# KiCad board Rogelio Pineda part 6-AMLDC-2044B.kicad_pcb (continued)
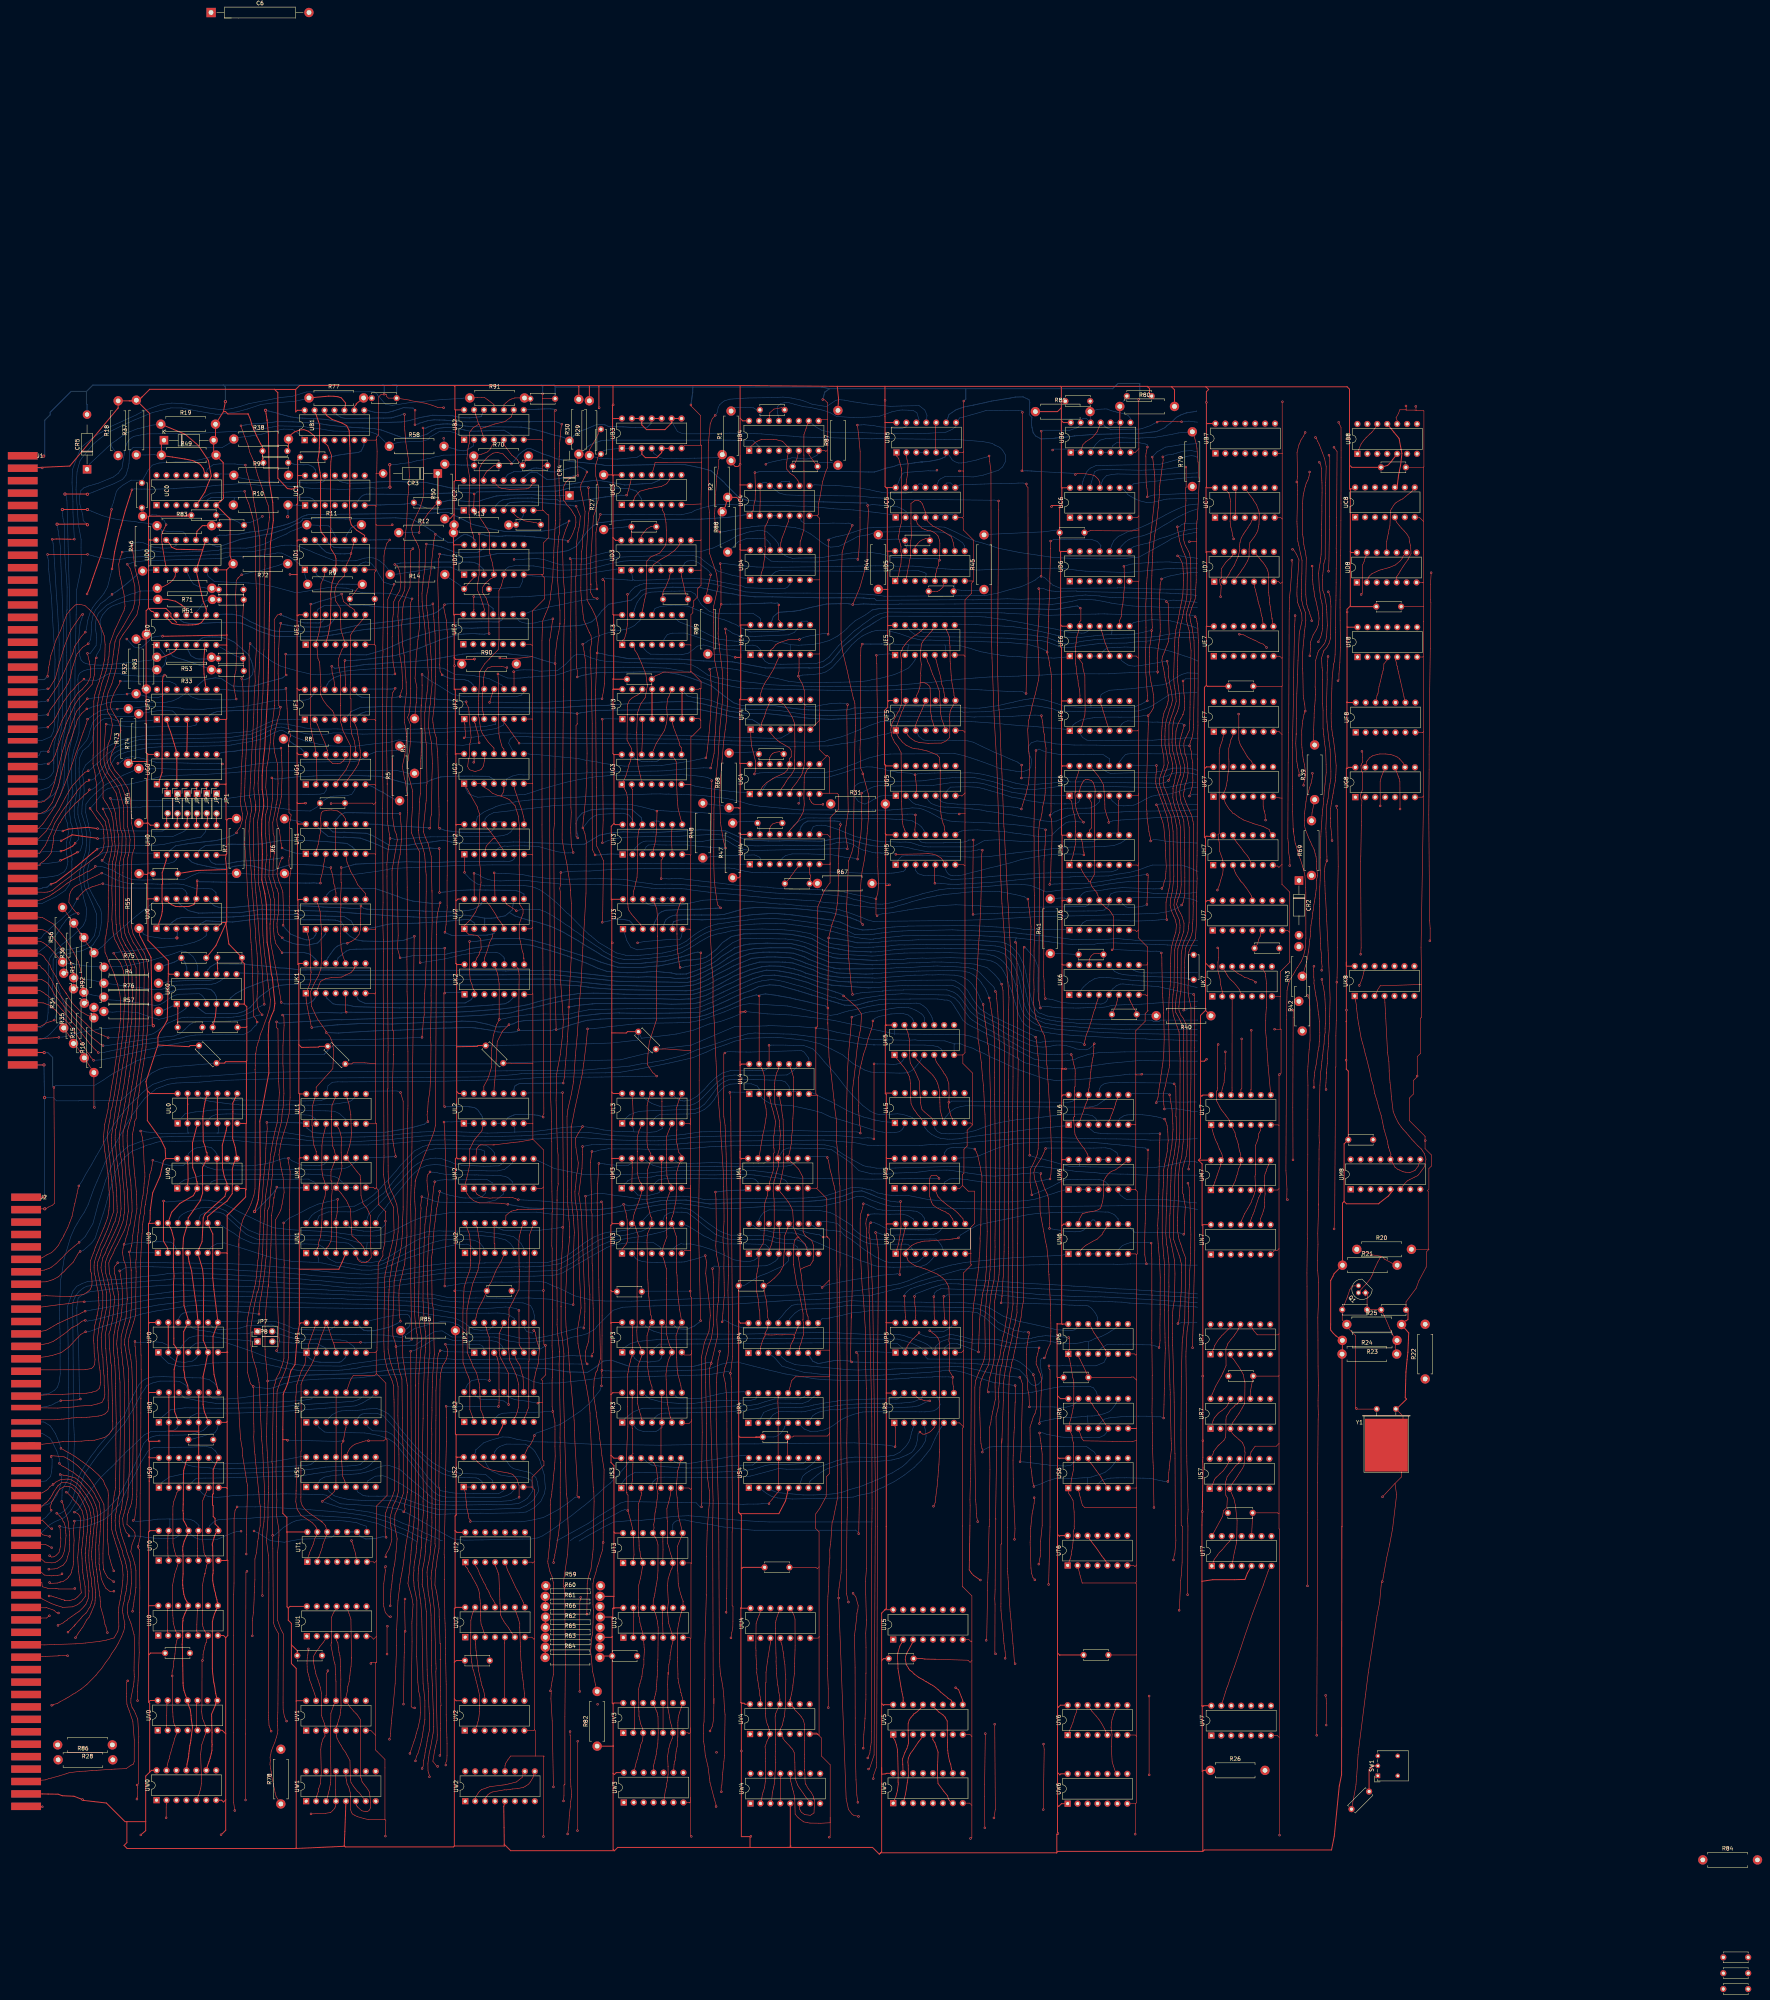
[diagram p0: board, top side]
## Routing (per net, layer and track width the routed paths; a pad name or vN(x,y) marks a point on that pad's centre or on a via; arc(x,y) is an arc through that point) (continued)
G7p10: length 14.7
  Top w0.15: UG7.10 389.93,312.78 389.71,313.36 389.11,313.94 388.7,314.46 388.54,314.7 387.51,316.47 387.03,317.25 386.77,317.79 386.47,318.79 386.45,319.3 386.45,325.38 v1(386.42,325.42) 386.45,325.45 386.45,325.53
G8p9: length 13.5
  Top w0.15: UG8.9 428.4,312.98 427.59,313.91 427.59,313.96 426.88,314.47 426,314.84 425.31,315.07 423.92,315.22 422.48,315.22 421.86,315.1 420.68,314.77 419.88,314.26 419.27,313.5 419.15,313.26 UG8.13
G8p10: length 11.1
  Top w0.15: 427.44,308.9 427.17,309.57 UG8.10 ; 427.68,300.96 427.68,301.13 v1(427.66,301.16) 427.61,308.12 427.42,308.99
H0p4: length 47
  Top w0.15: UJ1.11 155.79,279.74 155.54,280.61 155.52,281.28 155.21,282.14 155,283.81 154.73,285.01 154.45,285.75 154.45,286.17 v1(154.49,286.2) 154.45,286.24 154.45,286.26
  Bottom w0.2: UH0.4 118.05,288.4 118.2,288.28 119.07,287.53 120.33,287.08 122.78,286.55 125.29,286.03 127.71,286 129.99,286.56 132.33,286.87 133.8,286.73 135.31,286.43 136.5,286.09 137.39,285.88 138.53,285.52 139.91,285.46 140.77,285.92 143.98,286.92 146.66,287 151.42,286.77 152.49,286.57 153.08,286.42 153.63,286.24 v1(154.49,286.2)
H0p5: length 43.6
  Bottom w0.2: UH0.5 120.93,290.79 122.46,291.86 126.46,292.09 129.22,292.18 134.22,292.11 136.65,292.25 141.65,293.13 147.39,293.16 153.23,292.83 158.58,292.37 159.96,291.49 160.77,290.67 160.52,289.98 UH1.6
H0p6: length 50
  Top w0.15: v1(142.27,271.47) 142.42,273.8 142.21,279.91 141.81,281.2 141.14,282.9 140.71,284.71 140.87,285.63 141.6,287.9 v1(142.07,288.72)
  Bottom w0.2: 150.48,268.88 150.5,268.88 ; 150.48,268.88 150.72,269.31 UJ1.2 ; 150.48,268.88 150.27,268.58 149.93,268.16 148.85,267.74 148.21,267.74 146.6,268.22 144.21,269.22 142.86,270.63 v1(142.27,271.47) ; v1(142.07,288.72) 140.84,288.48 139.47,288.35 138.74,288.27 136.23,288.05 134.52,287.97 132.04,287.91 130.38,287.68 128.24,287.23 127.05,287.06 125,287.08 123.96,287.51 UH0.6
H0p8: length 3
  Top w0.25: UH0.8 125.23,299.95 JP1.2
H0p10: length 3
  Top w0.25: JP3.2 120.15,299.87 UH0.10
H0p12: length 3
  Top w0.25: JP5.2 115.27,299.99 115.27,298.91 UH0.12
H1p5: length 13
  Top w0.15: UJ1.8 163.33,279.56 161.36,281.79 160.73,283.13 160.35,283.8 159.57,285.14 158.6,287.61 UH1.5
H1p11: length 284.6
  Top w0.15: 172.53,293.52 172.17,289.6 171.66,287.07 171.41,282.02 171.51,279.2 171.68,268.9 171.49,265.61 v1(172.18,263.16) ; 172.52,293.31 172.58,294.78 172.41,297.24 v1(172.14,300.03) ; UH1.11 UH1.4
  Bottom w0.15: 340.56,243.62 340.54,243.61 ; 340.54,243.61 338.42,243.92 336.51,244.23 334.53,244.69 333.24,245.18 331.91,246.02 331.06,246.98 330.3,248.46 329.88,249.65 329.32,251.63 328.88,253.02 328.41,254.69 327.8,256.12 327.21,258.05 326.35,259.74 326.17,260.04 325.74,260.65 324.64,261.67 323.38,262.31 322.36,262.55 320.66,262.81 319.18,262.96 317.24,263.05 312.82,263.19 306.56,263.06 305.59,263.1 302.47,262.97 301.75,262.92 300.82,262.78 298.05,262.71 296.88,262.66 293.84,262.52 ; 340.54,243.61 341.02,243.55 342.56,243.48 344.12,243.31 346.18,243.22 352.86,242.83 355.36,242.73 359.06,242.51 360.17,242.48 362.67,242.45 363.71,242.33 369.78,242.17 371.27,242.12 374.04,241.97 374.38,241.97 375.34,241.96 375.9,241.94
  Bottom w0.2: 294.09,262.52 292.94,262.5 283.81,263.08 282.84,263.21 282.18,263.48 279.24,264.32 277.8,264.92 275.41,266 273.27,266.51 272.07,266.79 266.07,266.9 265.61,266.9 261.35,266.67 260.01,266.44 257.64,265.68 256.81,265.08 254.3,263.5 253.08,262.51 251.88,261.7 250.24,260.96 250.03,260.77 248.65,260.26 246.89,259.58 245.61,259.17 245.32,259.02 244.43,259.01 243.8,259 242.71,259 241.44,259.31 239.58,259.47 237.43,259.69 235.26,259.52 233.87,259.42 230.2,259.34 225.08,259.67 222.75,260.48 219.76,261.79 218.04,262.44 214.92,263.62 212.12,264.53 208.81,265.47 205.58,266.39 203.48,266.59 196.52,266.51 194.41,266.15 190.06,265.53 188.68,265.05 185.23,264.43 183.85,264.06 178.55,263.76 177.77,263.77 177.56,263.74 175.41,263.71 173.85,263.36 172.22,263.11 v1(172.18,263.16) ; 169.43,300.05 169.45,300.03 v1(172.14,300.03) ; UH1.11 155.71,298.24 156.74,299.47 157.11,299.77 157.56,300.03 158.07,300.21 160.14,300.21 170.14,300.03 168.47,300.02
H1p12: length 310.7
  Top w0.15: v1(320.94,290.66) 320.67,289.02 320.68,282.05 320.65,281 320.57,277.99 320.51,275.83 320.24,270.49 320.14,268.76 320.08,268.08 319.91,265.54 319.55,258.71 319.4,256.23 319.4,251.46 319.82,244.25 319.82,242.46 320.04,241.3 320.18,240.03 320.68,236.32 320.94,233.07 321.2,230.63 321.31,228.98 321.43,226.37 321.48,225.05 321.61,223.05 321.87,209.83 322.17,193.21 322.01,186.94 321.98,184.03 321.67,180.44 321.47,179.17 321.06,177.69 320.94,176.81 320.81,176 320.76,175.11 320.57,174.31 320.24,170.83 320.09,166.78 v1(319.94,162.49)
  Bottom w0.15: UP5.6 311.28,162.48 311.37,163.67 312.34,164.46 313.35,164.72 314.4,164.69 314.94,164.43 317.06,163.65 318.6,163.09 v1(319.94,162.49) ; v1(320.94,290.66) 319.98,290.78 319.72,290.67 318.76,290.5 318.24,290.41 313.94,290.27 311.51,290.31 308,290.2 306.78,290.27 303.19,290.97 301.78,291.34 300.27,291.56 299.11,291.54 297.95,291.61 297.4,291.56 295.52,291.62 295.05,291.63 294.32,291.64 292.74,291.79
  Bottom w0.2: 292.74,291.79 290.48,292.33 289.1,292.79 285.98,293.73 284.05,293.72 279.85,292.95 270.84,293.08 269.13,293.01 266.35,293.01 260.46,293.26 255.31,295.57 248.92,295.86 246.74,295.71 238.17,295.2 236.93,295.28 233.04,295.22 229.15,295.32 225.91,295.05 223.09,294.46 219.3,292.19 216.66,292.09 215.88,292.13 211.62,292.36 203.91,292.69 201.09,292.73 197.01,292.48 193.47,292.42 189.35,292.34 185.33,292.71 183.17,293.2 180.49,292.79 175.83,292.19 174.49,291.94 173.22,291.86 169.61,291.8 165.06,294.42 163.51,294.97 159.98,295.1 157.93,295.24 156.92,295.2 154.99,295.3 153.71,296.48 UH1.12
H1p13: length 67.9
  Top w0.15: v1(182.24,279.84) 182.24,291.01 v1(182.17,291.08)
  Bottom w0.2: v1(182.17,291.08) 182.04,291.08 181.45,291.05 179.88,291.21 177.33,290.99 172.85,290.83 168.96,290.88 166.31,292.09 163.85,293.08 162,293.73 157.75,293.98 157.51,293.9 156.48,293.96 153.82,294.15 151.77,295.8 151.29,296.45 UH1.13 ; UJ2.8 203.82,279.44 202.65,280.08 201.94,280.28 201.74,280.37 193.96,280.46 190.2,280.5 186.13,280.33 184.33,280.05 v1(182.24,279.84)
H2p1: length 387.8
  Top w0.15: 326.83,84.23 326.8,84.25 v1(326.76,84.25) 326.76,84.3 326.84,84.81 326.75,85.92 326.46,88.09 326.31,89.35 326.32,89.97 325.7,96.41 325.67,97.5 325.69,98.23 325.69,113.34 325.84,113.49 ; 325.85,113.48 325.84,113.49 ; 325.84,113.49 325.84,139.13 325.95,140.3 ; 325.91,139.19 325.95,140.3 ; 325.95,140.3 326.29,150.09 326.27,153.42 326.36,154.71 326.52,156.02 326.82,158.07 327,158.77 327.41,161.22 327.76,162.97 327.96,163.97 328.51,166.08 328.75,167.71 328.96,168.56 329.27,169.6 329.42,170.66 329.81,172.51 329.78,173.31 329.78,174.08 329.88,175.59 329.97,190.27 330.01,195.74 329.97,209.82 330.01,214.27 329.94,223.04 329.95,224.64 330.1,237.57 329.97,237.7 329.97,246.98 329.87,247.08 329.87,256.1 329.78,256.2 329.78,261.77 329.71,262.84 329.62,266.9 v1(329.38,267.14) ; 188.58,284.93 188.58,284.94 v1(188.63,284.99) 188.58,285.03 UH2.1
  Bottom w0.15: 375.9,266.34 375.09,266.32 368.24,266.42 368.22,266.44 366.21,266.57 365.15,266.58 362.84,266.65 361.74,266.71 359.22,266.78 357.72,266.84 354.47,266.97 352.79,266.94 350.28,266.76 349.54,266.63 346.38,266.63 345.95,266.59 343.96,266.53 341.7,266.74 338.1,267.23 337.8,267.32 334.69,267.62 333.46,267.81 330.61,268.13 329.55,268.24 ; 329.55,268.24 327.88,268.35 327.6,268.34 327.35,268.36 322.84,268.67 321.36,268.74 319.74,268.88 319.71,268.91 318.11,268.91 316.68,268.9 300.64,268.78 299.43,268.62 297.34,268.42 295.18,268.25 294.77,268.17 293.55,268.04 293.08,267.94 ; 329.55,268.24 329.64,268.15 329.4,267.9 329.4,267.72 v1(329.38,267.14) ; v1(188.63,284.99) 188.63,284.82 189.89,283.49 190.3,283.12 190.71,282.8 191.94,282 193.67,281.55 195.01,281.56 202.23,281.65 202.42,281.67 203.8,281.62 205.58,281.38 206.79,281.01 207.8,280.57 208.79,279.93 210.09,278.94 211.16,278.09 211.67,277.59 212.14,277.27 214.89,274.51 215.08,274.43 215.57,273.98 219.38,270.13 220.38,269.18 221.01,268.71 222.92,267.07 227.39,264.42 229.82,263.81 231.16,263.73 232.8,263.79 233.63,263.82 235.69,263.99 236.81,264.15 239.23,264.37 240,264.56 241.26,264.81 244.27,265.78 245.58,266.45 246.84,267.42 247.75,268.01 249.05,268.83 249.98,269.36 251.16,269.88 253.4,270.5 255.26,270.88 257.75,271.28 258.22,271.38 260.39,271.58 262.68,271.78 263.93,271.81 268.17,271.97 269.37,271.96 270.52,271.87 272.34,271.61 274.04,271.43 276.51,271.04 277.94,270.87 280.78,270.23 282.5,269.92 283.99,269.51 285.95,268.96 288.24,268.44 290.35,268.08 292.43,267.9 293.08,267.94 ; 293.08,267.94 293.14,267.95
H2p4: length 225.2
  Top w0.15: UD5.5 309,360.64 309.03,361.16 309.03,361.18 309.25,362.05 309.36,362.66 309.71,363.38 309.79,364.39 v1(310,364.71) 310.02,364.74 310.09,369.03 310,369.79 309.62,370.86 309,371.54 308.22,371.99 307.76,372.2 306.94,372.32 306.26,372.55 305.48,372.9 304.32,373.98 304.11,374.79 UC5.3 ; v1(215.6,365.12) 215.88,364.84 215.88,364.11 215.89,361.58 215.74,347.11 215.79,346.39 215.78,343.58 215.81,336.76 215.7,327.5 215.7,315.85 215.71,315.73 215.81,301.66 215.9,300.29 215.75,296.42 215.78,295.05 215.92,291.8 v1(216.39,290.07) ; UC4.5 271.35,374.51 270.9,373.42 270.39,371.96 269.77,370.4 269.45,369.17 UD4.11
  Bottom w0.15: UH2.4 196.63,290.49 197.18,291.08 197.64,291.35 198.75,291.71 199.61,291.65 ; 199.61,291.65 201.11,291.74 202.39,291.75 204.05,291.76 207.48,291.6 209.39,291.05 212.19,290.29 213.59,290.05 214.4,289.95 215.2,289.96 215.68,289.96 v1(216.39,290.07) ; 199.61,291.65 199.69,291.65 ; v1(215.6,365.12) 216.37,365.12 216.54,365.1 216.95,365.06 219.07,365.03 222.21,366.03 224.75,366.66 225.81,366.89 249.21,366.97 250.66,367.42 252.09,367.8 254.02,368.72 256.26,369.78 258.35,370.97 260.69,371.74 261.5,371.96 263.53,372.28 264.72,372.3 265.99,371.9 268.02,369.97 268.73,369.03 268.89,368.56 UD4.11 269.71,366.41 269.96,366.29 270.53,365.89 271.18,365.57 272.41,365.19 274.07,365.27 277.17,365.28 280.15,365.41 282.66,365.9 283.93,366.01 286.12,366.35 287.53,366.57 288.8,366.67 292.78,366.64 294.94,366.35 295.88,366.11 297.36,365.66 298.06,365.46 304.51,365.14 305.09,365.18 308.6,365.11 309.17,365.08 309.53,365.06 v1(310,364.71)
H2p9: length 298.3
  Top w0.15: 170.09,184.77 169.52,181.04 169.47,179.7 169.32,178.26 ; 170.05,184.48 170.8,187.78 171.27,190.19 171.66,193.16 171.71,196.98 171.33,200.12 170.58,202.15 169.64,204.13 169.24,205.71 169.11,208.54 169.11,210.11 168.99,229.65 169.06,229.71 169.06,239.05 169.11,239.4 168.96,260.26 168.93,260.29 168.82,284.04 168.83,285.46 168.79,287.05 169.14,290.95 169.3,291.75 v1(169.61,293.65) 169.44,294.66 168.89,298.04 168.87,307.69 ; v1(168.53,110.16) 168.53,110.81 169.32,112.16 169.76,113.4 170.06,114.67 169.87,117.57 169.78,118.21 169.59,120.17 170.41,123.32 170.83,124.12 171.11,124.69 171.42,125.53 171.81,127.17 171.9,133.23 171.87,136.31 171.66,144.19 171.61,146.25 171.65,153.61 171.21,155.61 170.91,156.31 169.85,159.49 169.55,160.59 169.09,163.23 169.15,168.07 169.12,169.44 169.15,173.38 169.27,176.56 169.36,178.47 ; 168.87,307.36 168.67,322.38 168.84,331.67 168.93,346.07 168.93,347.48 169.02,352.39 169.02,354.71 169.92,356.81 170.12,357.28 v1(170.62,358.58)
  Bottom w0.15: UH2.9 201.28,296.56 200.49,295.33 199.57,294.72 198.52,294.39 196.48,294.15 194.82,294.22 181.67,294.04 179.98,294.06 175.54,293.75 174.26,293.61 171.46,293.4 170.89,293.4 170.66,293.46 170.14,293.65 v1(169.61,293.65) ; v1(170.62,358.58) 169.8,358.5 168.04,359.08 167.45,359.96 167.1,360.56 166.66,361.26 166.15,362.31 164.99,363.68 164.49,364.09 163.4,364.27 162.84,364.15 162.03,363.77 UD1.6
H2p12: length 238.9
  Top w0.15: UH2.5 198.38,291 197.71,291.84 197.27,292.57 196.51,293.59 ; 303.86,299.73 303.86,299.68 v1(303.83,299.65) 303.86,299.63 303.86,297.53 ; 237.78,300.66 v1(237.78,300.62) 237.82,300.62 237.66,295.26 237.59,294.72 237.41,292.87 237.05,291.52 UH3.4 ; v1(318.62,293.25) 318.43,276.32 v1(318.55,274.25) ; 196.51,293.59 195.9,293.59 194.18,291.71 UH2.3 ; 196.51,293.59 196.17,294.07 195.19,295.43 193.66,297.21 UH2.12 ; UH5.12 303.72,295.55 303.69,295.94 303.86,297.57
  Bottom w0.15: v1(318.62,293.25) 317.46,293.25 317.31,293.09 316.77,292.86 316.45,292.75 315.54,292.69 315.11,292.65 314.19,292.57 311.4,292.57 311.03,292.53 310.98,292.5 306.4,292.5 305.27,292.75 304.76,293.25 UH5.12 ; 375.76,279.92 374.37,279.71 370.81,279.51 365.94,279.59 365.81,279.62 364.68,279.62 363.44,279.79 361.2,279.98 357.58,280.12 355.07,279.97 353.89,279.54 353.76,279.47 353.48,278.99 UJ6.10 353.16,276.41 352.07,275.35 349.99,275.12 347.93,275.12 346.88,275.11 343.35,275.08 342.74,275.09 342.64,275.09 341.06,275.09 341.05,275.1 337.29,274.99 334.61,274.98 333.92,274.96 333.39,274.89 331.62,274.79 330.43,274.76 329.2,274.72 328.62,274.66 327.5,274.69 324.87,274.54 324.05,274.48 321.34,274.4 320.37,274.4 v1(318.55,274.25) ; UH2.12 193.89,298.62 194.19,299.07 194.94,299.69 196.1,300.23 200.33,300.7 201.69,300.97 204.56,301.2 206.01,301.35 210.55,301.93 211.89,302.07 217.6,302.31 218.46,302.36 226.81,302.41 227.06,302.41 227.55,302.4 231.22,302.28 234.39,301.61 236.3,301.1 237,300.96 v1(237.78,300.62) 238.2,300.82 238.83,300.72 239.41,300.71 241.56,300.57 242.73,300.54 248.38,300.31 251.36,300.06 257.28,299.85 260.12,299.95 266.67,299.95 270.24,299.98 292.83,299.67 294.03,299.72 300.02,299.72 300.03,299.71 300.61,299.75 301.84,299.85 ; v1(303.83,299.65) 303,299.87 301.71,299.85
H2p13: length 324.3
  Top w0.15: v1(374.63,163.57) 375.21,188.48 375.09,240.14 375.15,252.88 375.15,253.58 v1(374.9,253.83) ; v1(337.02,252.72) 336.85,253.71 336.72,255.33 336.71,257.23 336.59,258.45 336.64,265.99 336.62,266.72 336.62,267.66 336.61,273.69 336.61,280.07 336.68,280.14 336.68,287.8 336.82,290.09 336.86,290.44 336.96,291.94 337.04,293.78 337.12,294.59 v1(337.09,295.84)
  Bottom w0.15: 293.07,300.9 292.82,300.9 ; 292.82,300.9 289.45,300.94 274.35,300.93 270.4,301.29 269.98,301.36 269.11,301.42 263.95,301.9 261.57,302.31 258.79,303.13 255.59,303.87 254.32,304.02 253.1,304.16 250.43,304.5 247.83,304.71 246.25,304.77 245.94,304.81 244.06,304.85 242.81,304.86 240.68,304.98 240.13,304.96 238.65,305.02 236.42,305 224.03,304.59 219.3,304.31 217.91,304.22 215.93,304.11 211.51,303.85 211.42,303.76 211.4,303.79 207.51,303.64 206.75,303.62 206.23,303.56 205.05,303.43 203.88,303.3 201.76,303.07 200.64,302.73 197.95,302.19 196.6,301.76 195.82,301.36 ; 292.82,300.9 297.31,300.9 297.82,300.95 299.25,301.07 300.59,301.18 301.66,301.28 303.01,301.46 304.8,301.35 305.79,301.06 307.53,300.31 310.21,298.8 312.59,298.1 313.98,297.93 316.53,297.84 318.74,297.77 322.64,297.61 322.87,297.56 324.22,297.53 328.83,297.2 330.5,297 333.53,296.65 333.63,296.6 334.48,296.46 336.26,296.19 337.09,295.98 v1(337.09,295.84) ; UH2.13 191.58,297.67 191.92,299.18 193.5,300.34 194.88,301.02 195.82,301.36 ; 195.82,301.36 195.83,301.38 ; v1(337.02,252.72) 338.04,252.61 338.9,252.47 340.94,251.83 342.86,251.6 344.34,251.53 347.24,251.5 348.1,251.47 349.38,251.45 350.32,251.44 351.24,251.34 352.23,251.68 352.66,252.09 352.9,252.51 UK6.5 353.82,254.68 354.19,255.19 355.05,255.92 355.27,256.07 356.18,256.45 356.88,256.48 358.31,256.33 359.27,256.23 359.28,256.25 361.75,256.1 364.11,255.93 365.84,255.8 368.51,255.22 372.21,254.39 372.93,254.27 373.51,254.14 374.1,254.07 374.9,253.85 v1(374.9,253.83)
H3p2: length 107.3
  Top w0.15: v1(286.5,327.83) 286.3,326.31 286.39,317.97 286.66,300.5 286.12,297.01 285.87,295.16 286.44,291.68 v1(286.44,290.99)
  Bottom w0.15: UH3.2 232.12,290.97 232.36,291.29 233.2,292.17 233.85,292.64 234.42,292.86 235,292.98 249.52,292.91 251.75,293.34 253.04,293.41 254.75,293.42 255.89,292.97 257.3,292.03 258.64,291.36 260.12,290.78 262.11,290.6 263.54,290.59 266.13,290.65 281.65,290.97 285.88,291.17 286.2,290.99 v1(286.44,290.99) ; v1(286.5,327.83) 286.21,328.12 284.59,328.2 282.35,328.12 279.51,327.65 278.43,327.4 275.97,327.42 275.1,328.23 UF4.9
H3p3: length 103.4
  Top w0.15: 255.36,346.2 255.38,346.06 ; 255.38,346.06 255.55,345.17 255.87,336.06 255.86,335.25 255.82,332.87 255.84,328.62 255.58,325 255.65,324.57 255.25,321.54 254.82,318.21 254.48,314.02 253.95,307.73 253.82,302.97 253.88,302.28 254.03,297.82 254.15,296.82 254.54,294.56 254.78,293.06 v1(255.29,291.17) ; 255.38,346.06 255.32,346.34 v1(255.29,347.17)
  Bottom w0.15: v1(255.29,291.17) 254.78,291.17 254.44,291.26 253.47,291.28 249.29,291.54 245.36,291.99 240.12,291.97 238.31,292 237.15,292.07 235.6,291.97 235.02,291.48 234.41,290.36 UH3.3 ; UE4.8 276.15,349.15 274.8,349.15 274.38,348.73 UE4.9 273.51,346.99 272.9,346.27 271.36,345.64 264.48,345.33 262.9,345.27 261.72,345.3 258.98,345.4 257.7,345.85 257.22,346.01 256.14,346.73 v1(255.29,347.17)
H3p5: length 189
  Top w0.15: 238.87,283.2 v1(238.87,283.39) 238.87,288.1 239.17,288.41 UH3.5 ; v1(294.04,273.9) 293.76,274.18 v1(293.76,278.24) 294.21,279.58 294.41,281.77 294.37,282.49 294.3,284.56 294.21,286.41 294.22,288.7 294.12,298.01 294.15,313.44 294.25,317.92 294.22,319.46 294.15,320.52 294.17,323.6 294.01,331.66 293.97,338.31 293.94,338.34 293.94,340.36 v1(293.86,340.43)
  Bottom w0.15: UE5.1 297.21,340.79 295.4,340.67 v1(293.86,340.43) ; v1(293.76,278.24) 292.31,278.6 290.82,278.9 288.4,279.28 284.03,280.35 281.62,280.45 278.91,280.55 274.84,280.68 274.19,280.64 272.47,280.74 267.54,280.99 265.98,281.22 264.1,281.27 262.8,281.47 259.37,281.58 256.11,281.93 254.47,282.16 250.92,282.55 248.39,282.85 243.78,283.4 241.57,283.37 240.72,283.3 240.17,283.39 v1(238.87,283.39) ; UJ6.12 348.13,276.71 347.19,276.24 332.2,276.07 329.04,276.03 322.16,276.25 319.97,276.46 314.2,276.71 309.47,276.45 304.05,275.72 301.78,275.37 298.1,274.74 297.29,274.61 295.44,274.4 294.48,274.2 v1(294.04,273.9)
H3p9: length 7.6
  Top w0.15: UH3.9 241.57,295.47 241.55,292.56 UH3.6
H3p11: length 3.5
  Bottom w0.15: UH3.10 238.48,297.88 238.31,298.04 238.05,298.1 237.11,298.1 236.63,297.62 UH3.11
H4p2: length 16.6
  Bottom w0.15: UH4.2 264.33,288.13 264.07,288.85 263.33,289.19 262.73,289.43 258.2,289.34 253.63,289.17 251.64,288.99 R48.1
H4p4: length 92.5
  Top w0.15: v1(289.07,288.37) 289.29,290.25 289.48,292.19 289.85,294.08 290.15,298.4 290.11,300.55 290.15,304.05 290.08,304.92 v1(290.09,305.25)
  Bottom w0.15: v1(290.09,305.25) 290.83,305.73 291.5,306.06 292.44,306.54 293.33,306.9 ; v1(289.07,288.37) 289.07,288.44 287.83,288.66 285.75,288.87 282.42,289.5 276.55,289.69 272.31,289.69 270.64,289.26 269.96,288.73 269.46,288.17 UH4.4 ; 293.33,306.9 293.43,306.94 ; 293.33,306.9 294.8,307.18 296.4,306.99 308.45,307.21 312.65,307.85 318.65,307.98 320.97,307.71 323.93,306.83 325.66,306.22 326.7,305.95 328.35,305.47 331.69,304.94 334.33,304.75 339.07,304.67 UG6.1
H4p6: length 6.3
  Top w0.15: C11.1 271.44,283.19 271.83,283.63 272.08,284.1 272.76,284.94 273.06,285.44 274.23,286.81 UH4.6
H4p7: length 7
  Top w0.15: R67.1 276.86,282.15 C11.2 276.97,282.27 276.97,284.22 276.89,284.41 276.81,284.99 276.82,285.67 UH4.7
H4p10: length 77.5
  Bottom w0.15: UH6.11 350.8,293.83 350.23,293.47 349.43,292.94 348.6,292.81 332.52,292.88 330.84,292.89 325.84,293.25 324.58,293.28 322.24,293.18 321.53,293.08 320.99,292.92 320.6,292.67 320.15,292.4 319.41,292 319.11,291.87 318.5,291.57 318.1,291.49 315.12,291.49 307.68,291.49 307.05,291.48 306.04,291.61 304.66,291.93 302.46,292.65 301.33,292.73 299.87,292.69 294.98,292.91 293.58,293.03 293.1,293.15 292.42,293.28 288.53,294.11 285.25,295.46 283.92,296 280.89,296.95 279.86,297.03 278.71,296.97 277.74,296.68 UH4.10
H4p12: length 58.2
  Top w0.15: UG4.10 276.77,311.78 276.2,311.3 275.99,310.85 275.65,310.18 275.53,309.79 275.43,309.23 275.4,307.9 275.34,303.97 275.42,302.55 275.42,302.19 275.22,300.58 274.81,299.68 274.32,298.86 273.66,297.85 272.79,296.84 271.69,295.65 UH4.12
  Bottom w0.15: UH4.12 271.69,295.55 272.07,296.18 272.54,296.7 273.34,297.53 274.05,298.07 275.11,298.62 275.76,298.87 277.89,298.87 281.75,298.84 293.93,298.71 295.84,298.71 296.24,298.68 298.9,298.52 299.79,298.53 301.58,298.35 302.98,298.16 304.67,297.2 305.41,296.58 305.99,295.75 UH5.11
H4p14: length 5.5
  Top w0.15: UH4.14 266.61,296.14 266.79,296.74 267.34,297.34 268.46,297.72 C56.2
H4p15: length 9.6
  Bottom w0.15: R47.2 258.88,297.94 260.61,297.99 261.37,298.02 262.68,297.9 C56.1 264.07,296.99 UH4.15
H5p1: length 61.9
  Bottom w0.15: UH6.8 357.9,293.69 357.49,293.3 356.32,292.49 354.55,291.84 352.15,291.61 349.85,291.54 348.99,291.47 347.68,291.43 347.32,291.42 346.47,291.43 343.77,291.46 342.65,291.38 340.11,291.13 339.16,291.05 335.27,290.61 333.44,290.42 328.87,289.9 326.07,289.5 322.82,289.03 318.77,288.86 317.66,288.89 309.59,289.19 307.42,289.24 305.65,289.22 304.78,289.26 303.61,289.27 303.17,289.24 301.9,289.29 301.55,289.26 300.4,289.16 299.43,288.18 UH5.1
H5p2: length 267.1
  Top w0.15: 212.27,201.43 212.17,186.03 212.21,185.98 212.21,178.72 212.26,178.67 212.3,170.73 212.27,169.43 212.47,166.76 212.93,162.47 ; 211.4,108.69 211.4,108.7 v1(211.39,108.7) 211.4,108.71 211.4,109.53 211.5,109.63 211.71,110.48 211.68,110.69 211.92,111.69 212.11,112.76 212.39,114.54 212.6,115.67 212.9,118.17 213.07,119.55 213.08,126.58 213.07,127.95 213.11,134.16 213.02,138.45 213.07,139.42 213.03,140.53 213.07,143.82 213.09,145.12 212.79,159.19 212.93,162.64 ; 212.27,201.05 212.3,203.8 212.58,205.4 212.54,205.45 212.54,212.8 212.35,214.47 212.03,226.63 212.09,229.63 212.17,233.42 212.5,235.28 213.1,238.43 213.63,243.02 213.89,247.05 213.08,258.73 213.1,280.01 212.96,280.93 213.14,281.69 v1(213.24,284.96)
  Bottom w0.15: UH5.2 301.32,285.75 301.21,285.63 300.76,285.23 300.19,285.13 298.34,284.83 297.81,284.79 297.14,284.78 296.47,284.67 295.83,284.7 295.45,284.7 293.33,284.7 ; 293.33,284.7 293.42,284.71 ; 293.33,284.7 292.36,284.68 285.8,284.97 282.22,285.04 274.3,285.01 268.72,284.89 262.26,284.94 260.13,285.3 257.58,285.93 256.25,286.09 240.76,285.93 234.61,285.93 231.67,285.89 226.19,285.75 224.98,285.63 220.58,285.32 219.3,285.34 215.7,285.24 214.73,285.17 v1(213.24,284.96)
H5p3: length 55.1
  Bottom w0.15: UH5.3 303.84,285.5 304.51,284.64 305.82,284.23 307.1,284.22 309.33,284.18 310.42,284.04 311.11,283.86 313.14,283.09 315.37,283.27 317.6,283.34 319.24,283.6 320.93,283.69 323.54,283.96 325.9,284.15 327.27,284.23 328.76,284.33 331.59,284.47 332.57,284.57 333.77,284.6 336.24,284.78 337.81,284.84 339.81,284.87 341.4,284.91 343.55,284.97 353.91,285.11 354.96,285.47 355.5,285.73 UH6.6
H5p5: length 72.9
  Top w0.15: 308.74,282.1 308.74,282.14 v1(308.8,282.2) 308.74,282.27 308.74,285.65 308.74,285.76 308.77,286.05 UH5.5
  Bottom w0.15: 376.05,285.26 375.25,285.54 374.32,286 373.43,286.35 371.82,286.83 370.81,286.86 369.56,286.84 364.42,286.86 363.04,286.42 360.84,285.59 358.46,284.96 355.25,284.5 353.12,284.07 344.76,283.93 343.52,283.82 343.11,283.77 335.47,283.74 333.4,283.42 329.46,283.03 327.75,282.84 325.58,282.63 323.39,282.46 320.11,282.26 319.32,282.21 318.52,282.19 317.67,282.11 316.96,282.05 315.58,282 314.72,281.89 314.51,281.92 312.88,281.96 312.4,281.97 312.16,281.97 310.58,282.17 310.19,282.2 v1(308.8,282.2)
H5p8: length 49.8
  Top w0.15: UG6.13 345.62,311.06 345.53,310.63 345.07,309.29 344.74,308.31 344.74,305.46 344.58,305.3 344.74,302.79 344.72,302.03 344.95,301.07 345.13,300.52 345.5,299.51 345.83,298.85 v1(346.79,297.79) 346.69,297.83
  Bottom w0.15: v1(346.79,297.79) 344.91,297.95 342.9,297.85 342.22,297.6 341.55,297.06 340.38,296.13 339.91,295.68 338.64,294.42 335.67,294.08 333.07,294.53 331.82,294.65 330.59,294.85 329.74,294.91 328.72,295.05 327.07,295.32 325.55,295.43 324.46,295.52 322.9,295.63 319.7,295.82 317.31,295.77 316.06,295.62 315.64,295.55 315.1,295.35 UH5.8
H6p3: length 5.1
  Bottom w0.15: UH6.5 UH6.4 UH6.3
H7p3: length 10.4
  Top w0.15: 384.86,286.6 385.08,286.38 385.34,285.45 385.59,284.84 385.64,284.84 385.78,284.43 386.76,283.04 386.8,282.9 386.89,282.77 387.22,282.46 387.72,281.93 387.9,281.58 388.23,281.21 389.21,279.77 389.74,278.9 UJ7.12
H7p12: length 9.2
  Top w0.15: 384.86,294.22 386.02,292.49 ; 389.94,286.6 389.53,287.49 389.36,287.82 389.19,288.34 388.69,289.15 387.76,290.26 387.44,290.73 387.03,291.27 386.04,292.49
INTA: length 66.4
  Top w0.15: v1(82.15,331.87) 82.47,331.87 84.07,334.47 84.97,337.92 86.35,342.63 87.76,346.2 88.17,347.04 90.7,350.74 90.93,350.74 v1(91.07,350.87)
  Top w0.25: R53.2 111.51,339.97 113.44,340.8 114.43,341.36 115.02,341.96 UE0.3
  Bottom w0.15: v1(91.07,350.87) 90.9,349.98 90.48,348.75 90.36,348.14 90.05,344.35 90.11,341.98 90.34,340.19 90.68,339.18 91.26,338.61 91.84,338.34 92.84,338.09 93.69,338.04 94.32,337.94 94.99,337.93 95.67,337.91 99.02,338.19 99.61,338.24 100.19,338.24 100.76,338.32 104.03,338.73 108.72,339.22 R53.2 ; J1.40 81.06,331.69 v1(82.15,331.87)
IO PLS: length 96.7
  Bottom w0.15: J1.74 80.74,277.07 84.29,278.82 86.61,280.36 87.61,281.79 88.14,283.48 88.34,285.56 88.29,287.74 88.37,288.36 88.24,289.38 87.77,292.6 88.26,294.66 88.45,295.51 88.36,296.78 88.04,297.63 87.66,300.89 88.57,305.74 88.35,307.19 88.14,308.55 88.34,314.07 88.87,316.44 89.55,318.42 90.13,320.62 90.22,329.43 89.83,334.2 89.94,335.23 90.47,336 91.41,336.51 92.19,336.72 93.27,336.95 97.55,337.05 100.26,337.05 107.46,337.01 R33.2 110.78,336.75 111.93,337.92 112.28,339.04 112.41,339.79 112.08,340.52 111.74,340.94 110.99,341.9 UE0.1
IO RST: length 192.2
  Top w0.25: 157.94,402.99 158.25,404.84 157.15,406.17 156.27,406.46 155.25,406.57 153.91,406.61 R77.1
  Bottom w0.15: R77.1 147.19,405.71 145.2,405.28 139.61,404.85 136.55,404.46 133.11,403.31 130.51,402.6 126.21,401.98 125.04,401.99 120.35,402.8 116.37,403.59 113.58,403.6 108.97,402.45 104.19,400.49 101.82,399.44 97.61,397.35 95.3,395.64 93.55,394.13 92.37,392.66 90.83,390.76 90.35,390.01 89.64,387.39 89.46,384.57 89.37,382.7 89.97,373.8 90.67,370.01 90.65,367.86 90.71,364.14 90.48,361.71 89.54,357.23 89.41,350.9 89.13,338.27 89.07,326.91 88.96,322.28 87.96,317.74 87.47,315.18 87.56,313.45 87.21,308.1 87.51,305.29 87.21,303.02 86.83,301.61 86.67,298.85 87.17,297.55 87.42,295.05 86.93,292.55 86.98,289.56 87.3,287.76 87.17,286.97 86.93,286.03 86.34,285.14 84.69,284.2 83.24,283.93 81.13,283.65 80.17,283.57 J1.70
J0p2: length 51
  Bottom w0.2: 112.48,270.61 113.92,272.24 115.12,273.07 116.43,273.47 126.44,273.51 128.24,273.56 129.55,273.6 132.18,273.81 135.91,274.15 144.32,274.19 153.04,273.82 157.82,273.72 159.7,272.55 UJ1.6
J0p4: length 259.9
  Top w0.15: 151.94,119.31 152.29,119.08 153.12,118.12 UT1.12 153.09,116.06 153.37,115.74 152.44,113.36 152.26,112.53 151.9,111.44 151.47,110.27 151.01,109.53 UT1.2 ; 151.94,119.31 150.47,120.31 149.59,120.91 149.04,121.27 148.09,122.11 147.69,122.53 147.15,123.29 146.84,124.21 146.81,125.41 146.84,125.44 146.84,137.16 146.91,137.23 146.86,154.25 147.37,155.62 147.9,156.48 148.13,156.96 148.78,158.02 149.52,159.26 149.9,159.99 UP1.2 151.21,163.96 151.54,164.95 152.05,166.57 152.43,167.45 UP1.12 153.99,168.26 154.42,166.85 155.08,164.95 ; 151.94,119.31 152.23,119.01 ; v1(175.14,165.74) 174.78,186.4 174.99,193.38 174.87,200.22 174.99,205.08 175.2,214.84 175.39,236.46 175.49,244.5 175.75,268.06 v1(175.82,268.7) ; 155.08,164.95 155.28,164.47 155.36,163.99 ; 155.08,164.95 162.04,164.95 v1(162.06,164.98) 162.09,164.95 162.21,164.95 ; 155.35,164.06 UP1.4
  Bottom w0.2: v1(162.06,164.98) 162.27,164.98 163.21,164.83 164.21,164.9 164.72,164.9 165.71,164.97 167.36,165.11 168.25,165.15 169.9,165.29 171.05,165.25 172.94,165.11 174.65,165.26 v1(175.14,165.74) ; v1(175.82,268.7) 175.53,268.45 175.05,268.26 173.97,267.93 172.97,267.58 168.51,267.32 162.66,267.45 160.99,267.77 159.43,268.63 158.55,269.46 UJ1.5 157.1,272.37 155.61,272.79 153.87,272.85 149.06,272.87 147.75,272.87 135.74,273.11 129.39,272.3 124.25,272.51 122.56,272.61 121.27,271.92 121.04,271.69 UJ0.5 117.56,270.61
J0p9: length 103.4
  Top w0.15: v1(158.66,266.87) 159.8,267.39 160.64,267.93 161.05,268.35 161.68,269.14 162.02,270.32 162.03,272.09 162.08,273.28 v1(162.16,276.43) ; UJ2.12 195.15,276.44 196.25,274.77 196.9,273.71 197.1,273.27 197.75,272.38 198.39,271.52 UJ2.5 198.37,271.59
  Bottom w0.2: v1(158.66,266.87) 157.74,266.87 156.13,266.14 155.65,265.75 155.25,265.33 154.1,263.73 153.77,263.26 153.46,262.63 UK1.12 ; UJ2.12 193,277.25 192.85,276.78 191.89,276.07 190.78,275.51 189.51,275.25 188.03,275.13 185.1,274.89 183.76,274.93 179.96,275.04 178.18,275.08 177.96,275.12 174.99,275.24 174.13,275.33 169.42,275.44 163.73,275.59 162.85,275.81 v1(162.16,276.43) 162.16,275.92 161.5,275.72 161.05,275.73 159.55,275.8 157.68,275.93 155.19,276.01 154.72,276.04 152.49,276.13 150.39,276.31 145.4,276.5 139.71,276.64 139.1,276.66 134.59,276.54 129.66,276.05 128.84,276.04 125.96,276.01 124.66,276.46 122.64,278.23
J0p10: length 53.7
  Top w0.15: UH1.3 152.63,286.93 152.49,285.82 152.15,284.25 151.89,283.39 v1(151.81,282.24) 151.89,282.2 152,282.09
  Top w0.25: 120.28,282.88 120.31,282.91 v1(120.31,282.85) 120.25,282.85 120.34,281.63 UJ0.10 119.5,276.78 118.2,276.28 117.35,276.25 115.86,276.22 114.79,276.28 113.84,276.71 112.99,277.3 112.48,278.23
  Bottom w0.2: v1(151.81,282.24) 150.81,282.24 150.16,282.3 149.66,282.27 149.04,282.25 148.08,282.25 126.42,282.49 124.47,282.54 120.8,282.58 v1(120.31,282.85)
